# KiCad board SBC.kicad_pcb (continued)
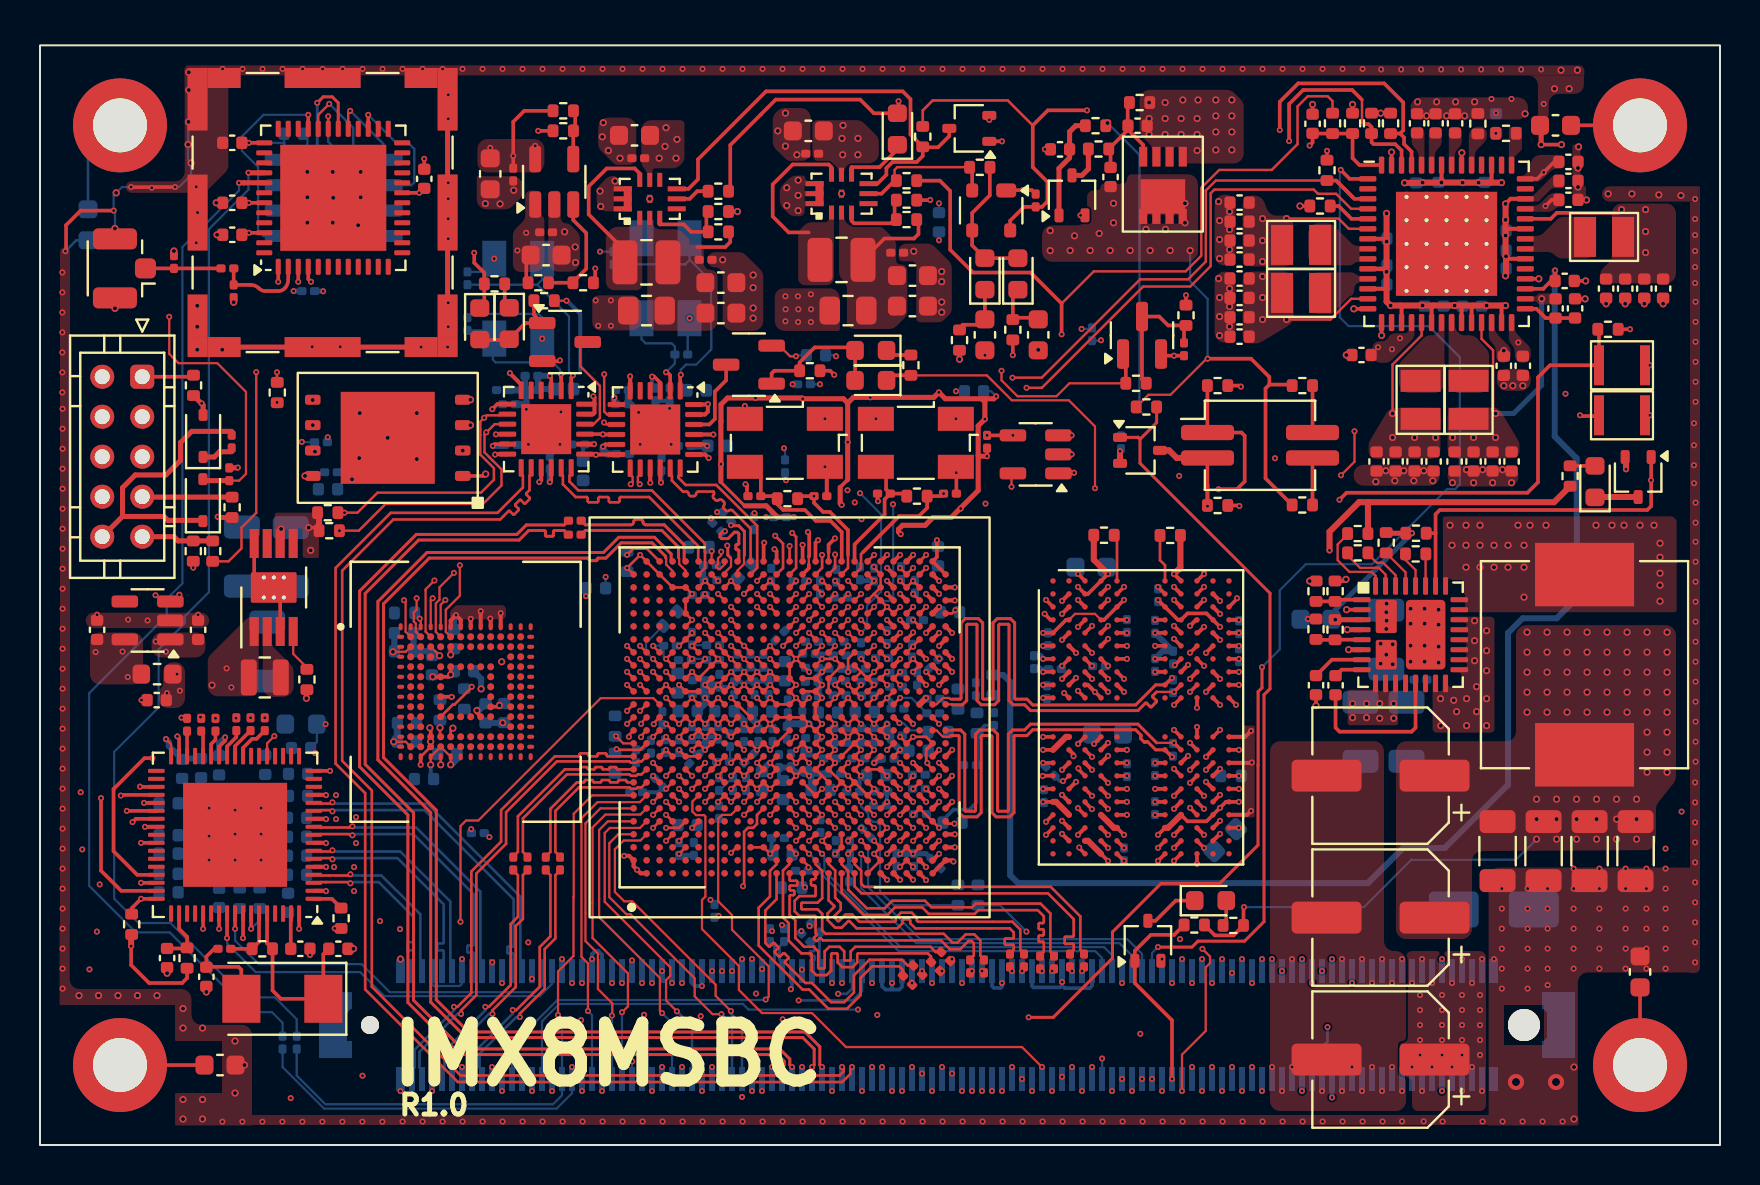
[diagram p0: board, top side]
## Routing (per net, layer and track width the routed paths; a pad name or vN(x,y) marks a point on that pad's centre or on a via; arc(x,y) is an arc through that point) (continued)
DRAM_DQ17: length 18.8
  T w0.2: U12.V2 v1(51.1,17.51) ; v1(44.95,14.56) U9.AD2
  IN4 w0.13: v1(44.95,14.56) 45.31,14.92 45.31,15.39 45.15,15.55 44.71,15.55 44.64,15.62 44.64,18.7 44.74,18.8 45.21,18.8 45.29,18.88 45.29,20.31 45.71,20.73 51.01,20.73 51.06,20.68 51.06,20.62 51.11,20.57 51.54,20.57 51.59,20.62 51.59,20.68 51.64,20.73 52.04,20.73 52.23,20.54 52.23,19.57 51.8,19.14 51.79,19.14 51.47,18.82 51.47,17.88 v1(51.1,17.51)
DRAM_DQ18: length 19.5
  T w0.2: U12.Y2 v1(51.1,16.21) ; v1(45.74,15.54) U9.AE4
  IN4 w0.13: v1(45.74,15.54) 46.03,15.84 46.03,16.21 45.95,16.29 45.95,17.46 arc(45.9,17.59) 45.77,17.64 45.48,17.64 arc(45.35,17.69) 45.3,17.82 arc(45.35,17.95) 45.48,18 45.77,18 arc(45.9,18.05) 45.95,18.18 45.95,19.1 46.17,19.32 46.37,19.32 46.41,19.36 46.41,19.86 46.46,19.9 46.81,19.9 46.85,19.86 46.85,19.36 46.9,19.32 47.25,19.32 47.29,19.36 47.29,19.86 47.34,19.9 47.69,19.9 47.73,19.86 47.73,19.36 47.78,19.32 48.13,19.32 48.17,19.36 48.17,19.86 48.22,19.9 48.57,19.9 48.61,19.86 48.61,19.36 48.66,19.32 49.01,19.32 49.05,19.36 49.05,19.86 49.1,19.9 49.45,19.9 49.49,19.86 49.49,19.36 49.54,19.32 49.91,19.32 50.02,19.43 50.29,19.43 50.5,19.22 50.5,17.95 50.76,17.69 50.76,17.35 51.17,16.94 51.34,16.94 51.47,16.81 51.47,16.57 51.83,16.21 51.83,16.01 51.71,15.89 51.4,15.89 51.1,16.19 v1(51.1,16.21)
DRAM_DQ19: length 19.7
  T w0.2: v1(44.3,15.21) U9.AD4 ; U12.U2 v1(51.8,18.16)
  IN4 w0.13: v1(44.3,15.21) 44.29,15.21 43.97,15.53 43.97,19.27 44.15,19.45 44.51,19.45 44.62,19.56 44.62,20.24 45.43,21.05 52.68,21.05 53.01,20.72 53.01,19.11 53.05,19.07 53.28,19.07 53.32,19.04 53.32,18.81 53.28,18.77 53.05,18.77 53.01,18.74 53.01,18.33 52.85,18.16 v1(51.8,18.16)
DRAM_DQ20: length 18.2
  T w0.2: v1(53.4,17.46) U12.U4 ; U9.AA2 v1(42.35,13.91)
  IN4 w0.13: v1(53.4,17.46) 53.08,17.14 53.08,13.53 52.73,13.18 51.45,13.18 51.39,13.23 51.39,13.49 51.34,13.55 50.92,13.55 50.86,13.49 50.86,13.23 50.81,13.18 50.39,13.18 50.33,13.23 50.33,13.32 50.28,13.38 49.86,13.38 49.8,13.32 49.8,13.23 49.75,13.18 49.33,13.18 49.27,13.23 49.27,13.37 49.22,13.42 48.8,13.42 48.74,13.37 48.74,13.23 48.69,13.18 47.93,13.18 47.6,13.51 46.33,13.51 46,13.18 44.83,13.18 44.56,12.91 44.17,12.91 43.99,13.08 43.99,13.42 43.81,13.6 42.67,13.6 v1(42.35,13.91)
DRAM_DQ21: length 18.6
  T w0.2: v1(42.35,13.26) U9.Y1 ; v1(53.4,16.81) U12.V4
  IN4 w0.13: v1(42.35,13.26) 43.64,11.98 53.52,11.98 54.78,13.24 54.78,15.43 v1(53.4,16.81)
DRAM_DQ22: length 19.3
  T w0.2: v1(43,13.26) U9.AA1 ; v1(53.4,15.51) U12.Y4
  IN4 w0.13: v1(43,13.26) 43,13.14 43.86,12.28 52.39,12.28 52.43,12.31 52.43,12.52 52.46,12.56 52.77,12.56 52.81,12.52 52.81,12.31 52.84,12.28 53.27,12.28 53.6,12.6 53.6,12.65 53.34,12.91 53.34,12.96 53.56,13.17 53.61,13.17 53.87,12.92 53.92,12.92 54.13,13.13 54.13,13.19 53.88,13.44 53.88,13.5 54.1,13.71 54.15,13.71 54.4,13.46 54.46,13.46 54.53,13.53 54.53,14.33 54.31,14.55 54.06,14.55 53.87,14.74 53.87,15.92 53.77,16.01 53.45,16.01 53.4,15.97 v1(53.4,15.51)
DRAM_DQ23: length 19.6
  T w0.2: v1(53.4,14.86) U12.AA4 ; v1(43.65,13.26) U9.AB1
  IN4 w0.13: v1(53.4,14.86) 53.81,14.45 53.81,13.79 52.84,12.83 52.02,12.83 51.78,12.59 51.37,12.59 51.33,12.62 51.33,12.89 51.29,12.93 50.99,12.93 50.95,12.89 50.95,12.62 50.91,12.59 50.61,12.59 50.57,12.62 50.57,12.89 50.53,12.93 50.23,12.93 50.19,12.89 50.19,12.62 50.15,12.59 49.85,12.59 49.81,12.62 49.81,12.89 49.77,12.93 49.47,12.93 49.43,12.89 49.43,12.62 49.39,12.59 49.09,12.59 49.05,12.62 49.05,12.89 49.01,12.93 48.71,12.93 48.67,12.89 48.67,12.62 48.63,12.59 48.33,12.59 48.29,12.62 48.29,12.89 48.25,12.93 47.95,12.93 47.91,12.89 47.91,12.62 47.87,12.59 47.57,12.59 47.53,12.62 47.53,13.14 47.49,13.18 47.19,13.18 47.15,13.14 47.15,12.62 47.11,12.59 46.81,12.59 46.77,12.62 46.77,13.14 46.73,13.18 46.43,13.18 46.39,13.14 46.39,12.62 46.35,12.59 46.05,12.59 46.01,12.62 46.01,12.89 45.97,12.93 45.67,12.93 45.63,12.89 45.63,12.62 45.59,12.59 45.29,12.59 45.25,12.62 45.25,12.84 45.21,12.88 44.91,12.88 44.87,12.84 44.87,12.62 44.83,12.59 44.01,12.59 43.65,12.95 v1(43.65,13.26)
DRAM_DQ24: length 22.4
  T w0.2: U9.AB4 v1(43,15.21) ; U12.Y9 v1(56.7,15.51)
  IN2 w0.13: v1(43,15.21) 43.18,15.21 43.5,14.89 45.09,14.89 45.32,14.65 45.32,14.09 45.56,13.85 46.04,13.85 46.09,13.9 46.09,14.16 46.15,14.21 46.57,14.21 46.62,14.16 46.62,13.9 46.68,13.85 47.1,13.85 47.15,13.9 47.15,14.16 47.21,14.21 47.63,14.21 47.68,14.16 47.68,13.9 47.74,13.85 48.16,13.85 48.21,13.9 48.21,14.16 48.27,14.21 48.69,14.21 48.74,14.16 48.74,13.9 48.8,13.85 49.22,13.85 49.27,13.9 49.27,14.16 49.33,14.21 49.75,14.21 49.8,14.16 49.8,13.9 49.86,13.85 50.28,13.85 50.33,13.9 50.33,14.16 50.39,14.21 50.81,14.21 50.86,14.16 50.86,13.9 50.92,13.85 51.34,13.85 51.39,13.9 51.39,14.16 51.45,14.21 51.87,14.21 51.92,14.16 51.92,13.9 51.98,13.85 52.4,13.85 52.45,13.9 52.45,14.16 52.51,14.21 52.93,14.21 52.98,14.16 52.98,13.9 53.04,13.85 54.56,13.85 arc(54.77,13.94) 54.86,14.15 54.86,14.26 arc(54.95,14.47) 55.16,14.56 arc(55.37,14.47) 55.46,14.26 55.46,14.15 arc(55.55,13.94) 55.76,13.85 56.07,13.85 56.39,14.17 56.39,14.34 56.57,14.52 56.79,14.52 57.12,14.85 57.12,15.09 v1(56.7,15.51)
DRAM_DQ25: length 22.8
  T w0.2: U12.Y11 v1(59,16.21) ; U9.AA4 v1(42.35,15.21)
  IN2 w0.13: v1(59,16.21) 58.6,15.81 58.6,15.35 58.46,15.21 58.11,15.21 57.54,14.64 57.54,14.15 56.77,13.38 55.36,13.38 arc(55.26,13.34) 55.22,13.24 arc(55.18,13.14) 55.08,13.1 54.74,13.1 arc(54.64,13.14) 54.6,13.24 arc(54.56,13.34) 54.46,13.38 54.12,13.38 arc(54.02,13.34) 53.98,13.24 arc(53.94,13.14) 53.84,13.1 53.5,13.1 arc(53.4,13.14) 53.36,13.24 arc(53.32,13.34) 53.22,13.38 52.88,13.38 arc(52.78,13.34) 52.74,13.24 arc(52.7,13.14) 52.6,13.1 52.26,13.1 arc(52.16,13.14) 52.12,13.24 arc(52.08,13.34) 51.98,13.38 51.64,13.38 arc(51.54,13.34) 51.5,13.24 arc(51.46,13.14) 51.36,13.1 51.02,13.1 arc(50.92,13.14) 50.88,13.24 arc(50.84,13.34) 50.74,13.38 50.4,13.38 arc(50.3,13.34) 50.26,13.24 arc(50.22,13.14) 50.12,13.1 49.78,13.1 arc(49.68,13.14) 49.64,13.24 arc(49.6,13.34) 49.5,13.38 49.16,13.38 arc(49.06,13.34) 49.02,13.24 arc(48.98,13.14) 48.88,13.1 48.54,13.1 arc(48.44,13.14) 48.4,13.24 arc(48.36,13.34) 48.26,13.38 47.92,13.38 arc(47.82,13.34) 47.78,13.24 arc(47.74,13.14) 47.64,13.1 47.3,13.1 arc(47.2,13.14) 47.16,13.24 arc(47.12,13.34) 47.02,13.38 46.68,13.38 arc(46.58,13.34) 46.54,13.24 arc(46.5,13.14) 46.4,13.1 46.06,13.1 arc(45.96,13.14) 45.92,13.24 arc(45.88,13.34) 45.78,13.38 45.42,13.38 44.56,14.24 43.54,14.24 43.33,14.45 43.33,14.69 43.12,14.9 42.67,14.9 v1(42.35,15.21)
DRAM_DQ26: length 21.2
  T w0.2: U12.AA11 v1(59,15.56) ; U9.AA3 v1(42.35,14.56)
  IN2 w0.13: v1(42.35,14.56) 42.55,14.56 42.87,14.25 43.17,14.25 43.32,14.1 43.32,13.76 43.5,13.58 44.46,13.58 45.37,12.67 49.61,12.67 arc(49.69,12.63) 49.73,12.54 arc(49.77,12.46) 49.85,12.42 50.21,12.42 arc(50.29,12.46) 50.33,12.54 arc(50.37,12.63) 50.45,12.67 50.81,12.67 arc(50.89,12.63) 50.93,12.54 arc(50.97,12.46) 51.05,12.42 51.41,12.42 arc(51.49,12.46) 51.53,12.54 arc(51.57,12.63) 51.65,12.67 52.01,12.67 arc(52.09,12.63) 52.13,12.54 arc(52.17,12.46) 52.25,12.42 52.61,12.42 arc(52.69,12.46) 52.73,12.54 arc(52.77,12.63) 52.85,12.67 57.1,12.67 59,14.57 v1(59,15.56)
DRAM_DQ27: length 24.2
  T w0.2: U9.AA6 v1(42.35,16.51) ; U12.AA9 v1(56.7,14.86)
  IN2 w0.13: v1(42.35,16.51) 42.67,16.2 43.14,16.2 43.32,16.02 43.32,15.7 43.49,15.53 45.18,15.53 45.49,15.22 46.01,15.22 46.21,15.02 46.21,14.62 46.28,14.55 46.63,14.55 arc(46.68,14.57) 46.7,14.61 46.7,14.97 arc(46.72,15.02) 46.76,15.04 47.03,15.04 arc(47.08,15.02) 47.1,14.97 47.1,14.61 arc(47.12,14.57) 47.16,14.55 47.43,14.55 arc(47.48,14.57) 47.5,14.61 47.5,14.97 arc(47.52,15.02) 47.56,15.04 47.83,15.04 arc(47.88,15.02) 47.9,14.97 47.9,14.61 arc(47.92,14.57) 47.96,14.55 48.23,14.55 arc(48.28,14.57) 48.3,14.61 48.3,14.97 arc(48.32,15.02) 48.36,15.04 48.63,15.04 arc(48.68,15.02) 48.7,14.97 48.7,14.61 arc(48.72,14.57) 48.76,14.55 49.03,14.55 arc(49.08,14.57) 49.1,14.61 49.1,14.97 arc(49.12,15.02) 49.16,15.04 49.43,15.04 arc(49.48,15.02) 49.5,14.97 49.5,14.61 arc(49.52,14.57) 49.56,14.55 49.83,14.55 arc(49.88,14.57) 49.9,14.61 49.9,14.97 arc(49.92,15.02) 49.96,15.04 50.23,15.04 arc(50.28,15.02) 50.3,14.97 50.3,14.61 arc(50.32,14.57) 50.36,14.55 50.63,14.55 arc(50.68,14.57) 50.7,14.61 50.7,14.97 arc(50.72,15.02) 50.76,15.04 51.03,15.04 arc(51.08,15.02) 51.1,14.97 51.1,14.61 arc(51.12,14.57) 51.16,14.55 52.53,14.55 52.57,14.59 52.57,15.53 52.61,15.57 52.89,15.57 52.93,15.53 52.93,14.59 52.97,14.55 54.31,14.55 54.31,14.56 54.33,14.56 54.51,14.74 54.51,14.94 54.77,15.2 56.36,15.2 v1(56.7,14.86)
DRAM_DQ28: length 24.4
  T w0.2: v1(43,17.81) U9.AA8 ; v1(58.3,18.16) U12.U11
  IN2 w0.13: v1(58.3,18.16) 58.02,18.45 56.53,18.45 56.27,18.71 56.27,19.17 55.65,19.79 54.84,19.79 54.55,20.08 54.12,20.08 53.99,19.95 53.84,19.95 53.68,19.79 52.87,19.79 52.83,19.75 51.77,19.75 51.73,19.79 50.79,19.79 50.44,19.44 49.6,19.44 49.56,19.48 49.56,20.02 49.52,20.06 49.2,20.06 49.16,20.02 49.16,19.48 49.12,19.44 48.8,19.44 48.76,19.48 48.76,20.02 48.72,20.06 48.4,20.06 48.36,20.02 48.36,19.48 48.32,19.44 48,19.44 47.96,19.48 47.96,20.02 47.92,20.06 47.6,20.06 47.56,20.02 47.56,19.48 47.52,19.44 47.2,19.44 47.16,19.48 47.16,20.02 47.12,20.06 46.8,20.06 46.76,20.02 46.76,19.48 46.72,19.44 46.4,19.44 46.36,19.48 46.36,20.02 46.32,20.06 46,20.06 45.96,20.02 45.96,19.48 45.92,19.44 44.16,19.44 43.98,19.26 43.98,18.98 43.79,18.79 43.53,18.79 43.32,18.58 43.32,18.13 v1(43,17.81)
DRAM_DQ29: length 23.2
  T w0.2: v1(43.65,17.16) U9.AB7 ; v1(56.7,17.46) U12.U9
  IN2 w0.13: v1(56.7,17.46) 56.69,17.48 55.55,17.48 55.29,17.74 55.24,17.74 54.95,17.45 54.9,17.45 54.7,17.65 54.7,17.71 54.98,17.99 54.98,18.05 54.88,18.15 54,18.15 53.65,17.8 53.02,17.8 52.98,17.84 52.98,18.38 52.95,18.42 52.71,18.42 52.67,18.38 52.67,17.84 52.64,17.8 52.4,17.8 52.36,17.84 52.36,17.93 52.33,17.97 52.09,17.97 52.05,17.93 52.05,17.84 52.02,17.8 51.63,17.8 51.6,17.83 50.91,17.83 50.6,18.14 49.68,18.14 49.64,18.18 49.64,18.41 49.6,18.45 49.28,18.45 49.24,18.41 49.24,17.87 49.2,17.83 48.88,17.83 48.84,17.87 48.84,18.41 48.8,18.45 48.48,18.45 48.44,18.41 48.44,17.87 48.4,17.83 48.08,17.83 48.04,17.87 48.04,18.41 48,18.45 47.68,18.45 47.64,18.41 47.64,17.87 47.6,17.83 47.28,17.83 47.24,17.87 47.24,18.41 47.2,18.45 46.88,18.45 46.84,18.41 46.84,17.87 46.8,17.83 46.48,17.83 46.44,17.87 46.44,18.41 46.4,18.45 46.08,18.45 46.04,18.41 46.04,17.87 46,17.83 45.68,17.83 45.64,17.87 45.64,18.1 45.6,18.14 44.69,18.14 44.62,18.07 44.62,17.68 44.44,17.5 44.19,17.5 43.86,17.16 v1(43.65,17.16)
DRAM_DQ30: length 25.2
  T w0.2: U12.V9 v1(56.7,16.81) ; v1(43,17.16) U9.AA7
  IN2 w0.13: v1(43,17.16) 43,17.35 43.13,17.48 43.79,17.48 43.99,17.68 43.99,18.58 44.07,18.66 44.54,18.66 44.68,18.8 45.39,18.8 45.43,18.84 45.43,19.06 45.47,19.1 45.77,19.1 45.81,19.06 45.81,18.84 45.85,18.8 46.15,18.8 46.19,18.84 46.19,19.06 46.23,19.1 46.53,19.1 46.57,19.06 46.57,18.84 46.61,18.8 46.91,18.8 46.95,18.84 46.95,19.06 46.99,19.1 47.29,19.1 47.33,19.06 47.33,18.84 47.37,18.8 47.67,18.8 47.71,18.84 47.71,19.06 47.75,19.1 48.05,19.1 48.09,19.06 48.09,18.84 48.13,18.8 48.43,18.8 48.47,18.84 48.47,19.06 48.51,19.1 48.81,19.1 48.85,19.06 48.85,18.84 48.89,18.8 49.19,18.8 49.23,18.84 49.23,19.06 49.27,19.1 49.57,19.1 49.61,19.06 49.61,18.84 49.65,18.8 50.37,18.8 50.66,19.09 51.23,19.09 51.79,18.52 52.05,18.52 52.28,18.76 52.28,18.97 52.4,19.09 53.18,19.09 53.23,19.04 53.23,18.48 53.28,18.43 53.66,18.43 53.71,18.48 53.71,19.04 53.76,19.09 53.9,19.09 54.19,18.8 54.61,18.8 arc(54.73,18.85) 54.79,18.98 54.79,19 arc(54.84,19.12) 54.97,19.18 arc(55.09,19.12) 55.15,19 55.15,18.98 arc(55.2,18.85) 55.33,18.8 55.34,18.8 55.41,18.73 55.41,18.17 55.46,18.13 56.84,18.13 57.18,17.79 57.77,17.79 57.85,17.71 57.85,17.48 57.8,17.43 57.21,17.43 56.7,16.92 v1(56.7,16.81)
DRAM_DQ31: length 25.7
  T w0.2: v1(59,17.51) U12.V11 ; v1(43,18.46) U9.AA9
  IN2 w0.13: v1(59,17.51) 59,18.3 58.66,18.64 58.66,18.87 58.44,19.08 58.12,19.08 57.98,19.22 57.98,19.54 57.74,19.79 56.48,19.79 56.28,19.98 56.28,20.53 56.02,20.79 55.59,20.79 55.53,20.73 55.53,20.64 55.47,20.58 54.99,20.58 54.93,20.64 54.93,20.94 54.87,21 54.39,21 54.33,20.94 54.33,20.64 54.27,20.58 53.79,20.58 53.73,20.64 53.73,20.94 53.67,21 53.19,21 53.13,20.94 53.13,20.64 53.07,20.58 52.59,20.58 52.53,20.64 52.53,20.94 52.47,21 51.99,21 51.93,20.94 51.93,20.64 51.87,20.58 51.39,20.58 51.33,20.64 51.33,20.94 51.27,21 50.79,21 50.73,20.94 50.73,20.85 50.67,20.79 50.19,20.79 50.13,20.85 50.13,20.94 50.07,21 49.59,21 49.53,20.94 49.53,20.64 49.47,20.58 48.99,20.58 48.93,20.64 48.93,20.94 48.87,21 48.39,21 48.33,20.94 48.33,20.64 48.27,20.58 47.79,20.58 47.73,20.64 47.73,20.94 47.67,21 47.19,21 47.13,20.94 47.13,20.64 47.07,20.58 46.59,20.58 46.53,20.64 46.53,20.94 46.47,21 45.99,21 45.93,20.94 45.93,20.85 45.87,20.79 45.2,20.79 44.51,20.1 44.15,20.1 43.32,19.26 43.32,18.96 43,18.64 v1(43,18.46)
DRAM_DQS0_N: length 19
  T w0.14: U9.AC25 v1(44.3,29.51)
  T w0.18: v1(52.6,25.96) U12.E3
  IN4 w0.12: v1(44.3,29.51) 44.5,29.31 44.75,29.31 45,29.07 46.02,29.07 46.91,28.18 47.58,28.18 47.76,28 47.76,27.45 47.8,27.41 48.14,27.41 48.17,27.45 48.17,28.77 48.35,28.95 48.9,28.95 49.08,28.77 49.08,27.45 49.12,27.41 49.46,27.41 49.49,27.45 49.49,28.77 49.67,28.95 50.22,28.95 50.4,28.77 50.4,28.22 50.44,28.18 50.71,28.18 51.7,29.17 52.28,29.17 52.66,28.78 52.66,26.95 52.4,26.68 52.4,26.16 v1(52.6,25.96)
DRAM_DQS0_P: length 18.8
  T w0.14: U9.AC24 v1(44.3,28.86)
  T w0.18: v1(51.9,25.91) U12.D3
  IN4 w0.12: v1(44.3,28.86) 44.5,29.06 44.65,29.06 44.89,28.82 45.92,28.82 45.98,28.76 arc(46,28.7) 45.98,28.63 arc(45.95,28.57) 45.98,28.51 46.08,28.4 arc(46.15,28.38) 46.21,28.4 arc(46.27,28.43) 46.33,28.4 46.81,27.93 47.48,27.93 47.51,27.89 47.51,27.34 47.69,27.16 48.24,27.16 48.42,27.34 48.42,28.66 48.46,28.7 48.8,28.7 48.83,28.66 48.83,27.34 49.01,27.16 49.56,27.16 49.74,27.34 49.74,28.66 49.78,28.7 50.12,28.7 50.15,28.66 50.15,28.11 50.33,27.93 50.81,27.93 51.8,28.92 52.17,28.92 52.41,28.68 52.41,27.05 52.15,26.79 52.15,26.16 v1(51.9,25.91)
DRAM_DQS1_N: length 23.2
  T w0.14: U9.AC21 v1(44.3,26.91)
  T w0.2: v1(58.2,25.91) 57.9,25.61 U12.E10
  IN2 w0.12: v1(58.2,25.91) 57.95,26.16 57.95,26.45 57.52,26.88 55.61,26.88 55.57,26.91 55.57,27.46 55.39,27.64 54.77,27.64 54.59,27.46 54.59,26.91 54.56,26.88 51.93,26.88 51.27,26.22 49.84,26.22 49.81,26.25 49.81,27.14 49.62,27.32 49.07,27.32 48.89,27.14 48.89,26.25 48.85,26.22 48.5,26.22 48.47,26.25 48.47,27.14 48.28,27.32 47.73,27.32 47.55,27.14 47.55,26.25 47.51,26.22 47.16,26.22 47.13,26.25 47.13,26.99 46.94,27.17 46.39,27.17 46.21,26.99 46.21,26.25 46.17,26.22 45.49,26.22 45.2,26.51 44.24,26.51 44.1,26.64 44.1,26.71 v1(44.3,26.91)
DRAM_DQS1_P: length 23.3
  T w0.14: U9.AB21 v1(43.65,26.91)
  T w0.2: U12.D10 57.8,26.26 v1(57.5,25.96)
  IN2 w0.12: v1(43.65,26.91) 43.85,26.71 43.85,26.54 44.14,26.26 45.1,26.26 45.39,25.97 46.27,25.97 46.46,26.15 46.46,26.88 46.49,26.92 46.84,26.92 46.88,26.88 46.88,26.15 47.06,25.97 47.61,25.97 47.8,26.15 47.8,27.03 47.83,27.07 48.18,27.07 48.22,27.03 48.22,26.15 48.4,25.97 48.95,25.97 49.14,26.15 49.14,27.03 49.17,27.07 49.52,27.07 49.56,27.03 49.56,26.15 49.74,25.97 51.37,25.97 52.03,26.63 52.71,26.63 52.81,26.53 52.97,26.53 53.07,26.63 54.66,26.63 54.84,26.81 54.84,27.36 54.88,27.39 55.29,27.39 55.32,27.36 55.32,26.81 55.5,26.63 57.42,26.63 57.7,26.34 57.7,26.16 v1(57.5,25.96)
DRAM_DQS2_N: length 19.2
  T w0.18: v1(44.3,13.25) 44.3,13.27 U9.AC1 ; 52.25,17.15 v1(52.6,16.8)
  IN4 w0.12: v1(52.6,16.8) 52.4,16.6 52.4,16.54 52.66,16.28 52.66,13.82 52.29,13.45 51.82,13.45 50.62,14.65 50.22,14.65 50.18,14.61 50.18,13.86 50,13.68 49.41,13.68 49.22,13.86 49.22,15.59 49.19,15.62 48.8,15.62 48.76,15.59 48.76,13.81 48.58,13.63 47.99,13.63 47.8,13.81 47.8,14.61 47.77,14.65 47.02,14.65 46.67,14.3 46.67,14.18 46.52,14.04 46.4,14.04 45.82,13.45 44.5,13.45 v1(44.3,13.25)
DRAM_DQS2_P: length 18.8
  T w0.18: U9.AC2 44.3,13.92 v1(44.3,13.9) ; 52.23,16.51 v1(51.9,16.85)
  IN4 w0.12: v1(44.3,13.9) 44.5,13.7 45.71,13.7 46.91,14.9 47.87,14.9 48.05,14.72 48.05,13.91 48.09,13.88 48.48,13.88 48.51,13.91 48.51,15.69 48.7,15.87 49.29,15.87 49.47,15.69 49.47,13.96 49.51,13.93 49.9,13.93 49.93,13.96 49.93,14.72 50.12,14.9 50.72,14.9 51.92,13.7 52.19,13.7 52.41,13.92 52.41,16.18 52.15,16.44 52.15,16.6 v1(51.9,16.85)
DRAM_DQS3_N: length 22.3
  T w0.14: U9.AC5 v1(44.3,15.86)
  T w0.18: U12.V10 v1(58.2,16.81)
  IN2 w0.12: v1(44.3,15.86) 44.1,16.06 44.1,16.14 44.24,16.27 45.2,16.27 45.49,16.56 46.09,16.56 46.13,16.53 46.13,15.63 46.31,15.45 46.89,15.45 47.08,15.63 47.08,16.53 47.11,16.56 47.49,16.56 47.53,16.53 47.53,15.63 47.71,15.45 48.29,15.45 48.48,15.63 48.48,16.53 48.51,16.56 48.89,16.56 48.93,16.53 48.93,15.63 49.11,15.45 49.69,15.45 49.88,15.63 49.88,16.53 49.91,16.56 51.27,16.56 51.93,15.9 57.52,15.9 58,16.38 58,16.61 v1(58.2,16.81)
DRAM_DQS3_P: length 22.5
  T w0.14: U9.AB5 v1(43.65,15.86)
  T w0.18: U12.W10 v1(57.5,16.86)
  IN2 w0.12: v1(57.5,16.86) 57.54,16.86 57.75,16.65 57.75,16.49 57.42,16.15 53.61,16.15 53.5,16.27 53.28,16.27 53.17,16.15 52.03,16.15 51.37,16.81 49.81,16.81 49.63,16.63 49.63,15.73 49.59,15.7 49.21,15.7 49.18,15.73 49.18,16.63 48.99,16.81 48.41,16.81 48.23,16.63 48.23,15.73 48.19,15.7 47.81,15.7 47.78,15.73 47.78,16.63 47.59,16.81 47.01,16.81 46.83,16.63 46.83,15.73 46.79,15.7 46.41,15.7 46.38,15.73 46.38,16.63 46.19,16.81 45.39,16.81 45.1,16.52 44.14,16.52 43.85,16.24 43.85,16.06 v1(43.65,15.86)
DRAM_nCS0_A: length 21.3
  T w0.2: v1(45.6,24.31) U9.AE18 ; U12.H4 v1(53.4,23.31)
  IN6 w0.13: v1(53.4,23.31) 53.08,22.99 52.46,22.99 52.24,23.21 52.24,24.07 52.47,24.3 53.54,24.3 54.05,23.79 54.52,23.79 54.66,23.93 54.66,24.5 54.52,24.64 54.18,24.64 54.06,24.76 53.05,24.76 52.87,24.94 50.92,24.94 50.58,25.28 49.83,25.28 49.79,25.32 49.79,25.66 49.75,25.7 49.54,25.7 49.5,25.66 49.5,25.32 49.46,25.28 49.25,25.28 49.21,25.32 49.21,25.81 49.17,25.85 48.96,25.85 48.92,25.81 48.92,25.32 48.88,25.28 48.67,25.28 48.63,25.32 48.63,25.81 48.59,25.85 48.38,25.85 48.34,25.81 48.34,25.32 48.3,25.28 48.09,25.28 48.05,25.32 48.05,25.81 48.01,25.85 47.8,25.85 47.76,25.81 47.76,25.32 47.72,25.28 47.51,25.28 47.47,25.32 47.47,25.81 47.43,25.85 47.22,25.85 47.18,25.81 47.18,25.32 47.14,25.28 46.78,25.28 46.07,24.57 45.86,24.57 v1(45.6,24.31)
DRAM_nCS0_B: length 20.9
  T w0.2: U9.AC9 v1(43.65,19.11) ; v1(53.4,19.46) U12.R4
  IN6 w0.13: v1(53.4,19.46) 53.4,19.21 53.27,19.08 52.47,19.08 52.24,18.85 52.24,18.66 52.1,18.52 51.79,18.52 51.21,19.1 50.92,19.1 50.76,18.94 50.76,17.95 50.85,17.86 51.21,17.86 51.71,17.35 52,17.35 52.22,17.13 53.73,17.13 53.87,16.99 53.87,16.62 53.7,16.45 51.77,16.45 51.4,16.82 48.48,16.82 46.51,18.79 43.75,18.79 43.65,18.89 v1(43.65,19.11)
DRAM_nCS1_A: length 21.8
  T w0.2: U12.H3 v1(52.6,23.31) ; v1(44.3,24.31) U9.AC18
  IN6 w0.13: v1(52.6,23.31) 52.6,23.52 52.73,23.65 53.62,23.65 53.78,23.49 53.78,23.21 54,22.99 54.48,22.99 54.52,23.03 54.52,23.32 54.56,23.36 54.89,23.36 54.93,23.32 54.93,23.03 54.97,22.99 55.81,22.99 55.9,23.08 55.9,23.25 55.8,23.35 55.62,23.35 55.44,23.53 55.44,23.61 54.99,24.06 54.99,24.85 54.55,25.29 53.92,25.29 53.57,25.64 52.07,25.64 52.03,25.6 51.37,25.6 51.02,25.95 49.9,25.95 49.69,26.16 47.14,26.16 45.88,24.9 45.37,24.9 45.12,24.65 44.76,24.65 44.63,24.78 44.63,25.14 44.5,25.27 44.06,25.27 43.97,25.18 43.97,24.79 43.93,24.75 43.93,24.49 44.1,24.31 v1(44.3,24.31)
DRAM_nCS1_B: length 20.6
  T w0.2: U9.AD8 v1(44.95,18.46) ; v1(52.6,18.76) U12.R3
  IN6 w0.13: v1(52.6,18.76) 52.64,18.8 55.95,18.8 56.07,18.68 56.07,16.34 55.87,16.14 55.52,16.14 55.27,15.89 50.5,15.89 50.44,15.83 49.22,15.83 49.18,15.87 49.18,15.96 49.14,16 48.89,16 48.85,15.96 48.85,15.87 48.81,15.83 48.61,15.83 46.35,18.09 45.13,18.09 45.09,18.13 44.82,18.13 44.78,18.09 44.55,18.09 44.48,18.16 44.48,18.42 44.52,18.46 v1(44.95,18.46)
DRAM_nRST: length 17.8
  T w0.2: U12.T11 v1(59,18.81) ; v1(43.65,21.06) U9.AB13
  IN4 w0.11: v1(59,18.81) 59,19.2 56.76,21.44 44.02,21.44 v1(43.65,21.06)
DRAM_VREF: length 68.6
  T w0.18: U1.31 75.17,42.82 75.17,42.84 75.55,43.22 C62.1 v1(75.75,43.74)
  B w0.3: R72.1 48.16,23.51 48.51,23.16 48.51,13.49 48.9,13.1 66.4,13.1 68.16,14.86 70.24,14.86 73.4,18.02 73.4,25.61 74.13,26.35 75.83,26.35 76.83,27.35 76.83,34.35 75.73,35.45 75.73,43.72 v1(75.75,43.74)
DRAMREF: length 2.1
  T w0.13: U9.AA14 v1(43,22.36)
  B w0.11: C88.1 43.57,22.36 v1(43,22.36)
DSI_CLK_N: length 32.2
  T w0.13: U9.C16 v1(30.65,23.66)
  IN2 w0.11: v1(33.6,8.7) 33.69,8.79 33.69,8.91 33.34,9.27 32.26,9.27 29.36,12.17 29.31,12.17 28.86,11.73 28.55,11.73 28.21,12.07 28.21,12.38 28.66,12.82 28.66,12.87 28.51,13.02 28.46,13.02 28.01,12.57 27.7,12.57 27.36,12.91 27.36,13.22 27.81,13.67 27.81,13.72 27.66,13.87 27.61,13.87 27.17,13.42 26.86,13.42 26.52,13.76 26.52,14.07 26.96,14.52 26.96,14.57 26.81,14.72 26.77,14.72 26.32,14.27 26.01,14.27 25.67,14.61 25.67,14.92 26.12,15.37 26.12,15.42 25.92,15.61 25.92,16.44 26.14,16.66 26.43,16.66 26.47,16.69 26.47,16.9 26.43,16.93 26.14,16.93 25.92,17.15 25.92,17.62 26.14,17.84 26.43,17.84 26.47,17.87 26.47,18.08 26.43,18.11 26.14,18.11 25.92,18.33 25.92,18.8 26.14,19.02 26.43,19.02 26.47,19.05 26.47,19.26 26.43,19.29 26.14,19.29 25.92,19.51 25.92,19.98 26.14,20.2 26.43,20.2 26.47,20.23 26.47,20.44 26.43,20.47 26.14,20.47 25.92,20.69 25.92,21.14 27.2,22.42 30.19,22.42 30.44,22.67 30.44,23.05 30.82,23.43 30.82,23.5 v1(30.65,23.66)
DSI_CLK_P: length 32.2
  T w0.13: U9.D16 v1(31.3,23.66)
  IN2 w0.11: v1(34.1,8.7) 34.01,8.79 34.01,9.05 33.47,9.59 32.4,9.59 29.49,12.49 29.18,12.49 28.73,12.05 28.69,12.05 28.53,12.2 28.53,12.24 28.98,12.69 28.98,13 28.64,13.34 28.33,13.34 27.88,12.89 27.84,12.89 27.68,13.05 27.68,13.09 28.13,13.54 28.13,13.85 27.79,14.19 27.48,14.19 27.03,13.74 26.99,13.74 26.84,13.9 26.84,13.94 27.28,14.39 27.28,14.7 26.94,15.04 26.63,15.04 26.19,14.59 26.14,14.59 25.99,14.74 25.99,14.79 26.43,15.24 26.43,15.55 26.24,15.74 26.24,16.31 26.27,16.34 26.57,16.34 26.79,16.56 26.79,17.03 26.57,17.25 26.27,17.25 26.24,17.28 26.24,17.49 26.27,17.52 26.57,17.52 26.79,17.74 26.79,18.21 26.57,18.43 26.27,18.43 26.24,18.46 26.24,18.67 26.27,18.7 26.57,18.7 26.79,18.92 26.79,19.39 26.57,19.61 26.27,19.61 26.24,19.64 26.24,19.85 26.27,19.88 26.57,19.88 26.79,20.1 26.79,20.57 26.57,20.79 26.27,20.79 26.24,20.82 26.24,21 27.34,22.1 30.33,22.1 30.76,22.53 30.76,22.91 31.14,23.29 31.14,23.5 v1(31.3,23.66)
DSI_D0_N: length 32.2
  T w0.13: U9.A17 v1(29.35,24.31)
  IN2 w0.11: v1(28.6,8.1) 28.69,8.19 28.69,8.89 27.85,9.73 26.15,9.73 25.28,10.59 25.24,10.59 25.08,10.44 24.77,10.44 24.24,10.97 24.24,11.28 24.73,11.77 24.73,11.81 24.38,12.16 24.34,12.16 23.85,11.67 23.54,11.67 23.01,12.2 23.01,12.51 23.5,13 23.5,13.04 23.15,13.39 23.11,13.39 22.62,12.9 22.31,12.9 21.78,13.43 21.78,13.74 22.27,14.23 22.27,14.27 21.92,14.62 21.88,14.62 21.72,14.46 21.41,14.46 20.93,14.95 20.93,17.28 21.63,17.98 21.63,20.56 22.27,21.2 22.27,22.37 22.81,22.9 arc(22.84,22.98) 22.81,23.06 arc(22.77,23.14) 22.81,23.22 22.9,23.31 arc(22.98,23.35) 23.06,23.31 arc(23.14,23.28) 23.22,23.31 24.22,24.31 v1(29.35,24.31)
DSI_D0_P: length 32.2
  T w0.13: U9.B17 v1(30,24.31)
  IN2 w0.11: v1(30,24.31) 29.68,23.99 24.35,23.99 22.59,22.23 22.59,21.06 21.95,20.42 21.95,17.85 21.25,17.15 21.25,15.08 21.55,14.78 21.59,14.78 21.74,14.94 22.05,14.94 22.59,14.41 22.59,14.09 22.1,13.61 22.1,13.57 22.45,13.22 22.49,13.22 22.97,13.71 23.29,13.71 23.82,13.18 23.82,12.86 23.33,12.38 23.33,12.34 23.68,11.99 23.72,11.99 24.2,12.48 24.52,12.48 25.05,11.94 25.05,11.63 24.56,11.15 24.56,11.11 24.91,10.76 24.95,10.76 25.1,10.91 25.42,10.91 26.28,10.05 27.98,10.05 29.01,9.02 29.01,8.19 v1(29.1,8.1)
DSI_D1_N: length 32.3
  T w0.13: U9.A16 v1(29.35,23.66)
  IN2 w0.11: v1(29.35,23.66) 25.45,23.66 24.6,22.81 arc(24.52,22.78) 24.44,22.81 arc(24.36,22.85) 24.29,22.81 24.19,22.72 arc(24.16,22.64) 24.19,22.56 arc(24.22,22.48) 24.19,22.4 23.89,22.11 23.89,21.36 23.03,20.5 23.03,20.34 23,20.31 22.53,20.31 22.31,20.09 22.31,19.42 22.53,19.2 23,19.2 23.03,19.17 23.03,18.76 23,18.73 22.53,18.73 22.31,18.51 22.31,17.84 22.53,17.62 23,17.62 23.03,17.59 23.03,17.18 23,17.15 22.53,17.15 22.31,16.93 22.31,16.26 22.53,16.04 23,16.04 23.03,16.01 23.03,15.43 23.19,15.28 23.19,15.23 22.9,14.95 22.9,14.64 23.27,14.26 23.58,14.26 23.87,14.55 23.92,14.55 24.11,14.36 24.11,14.32 23.82,14.03 23.82,13.72 24.19,13.34 24.5,13.34 24.79,13.63 24.84,13.63 25.03,13.44 25.03,13.4 24.74,13.11 24.74,12.8 25.11,12.42 25.42,12.42 25.71,12.71 25.76,12.71 25.94,12.52 25.94,12.48 25.66,12.19 25.66,11.88 26.03,11.5 26.34,11.5 26.63,11.79 26.68,11.79 28.11,10.36 28.93,10.36 30.19,9.1 30.19,8.19 v1(30.1,8.1)
DSI_D1_P: length 32.3
  T w0.13: U9.B16 v1(30,23.66)
  IN2 w0.11: v1(30.6,8.1) 30.51,8.19 30.51,9.24 29.07,10.68 28.24,10.68 26.81,12.11 26.5,12.11 26.21,11.82 26.16,11.82 25.98,12.01 25.98,12.06 26.26,12.34 26.26,12.66 25.89,13.03 25.58,13.03 25.29,12.74 25.24,12.74 25.06,12.93 25.06,12.98 25.35,13.26 25.35,13.57 24.97,13.95 24.66,13.95 24.37,13.66 24.33,13.66 24.14,13.85 24.14,13.89 24.43,14.18 24.43,14.49 24.05,14.87 23.74,14.87 23.45,14.58 23.41,14.58 23.22,14.77 23.22,14.81 23.51,15.1 23.51,15.41 23.35,15.57 23.35,16.14 23.13,16.36 22.66,16.36 22.63,16.39 22.63,16.8 22.66,16.83 23.13,16.83 23.35,17.05 23.35,17.72 23.13,17.94 22.66,17.94 22.63,17.97 22.63,18.38 22.66,18.41 23.13,18.41 23.35,18.63 23.35,19.3 23.13,19.52 22.66,19.52 22.63,19.55 22.63,19.96 22.66,19.99 23.13,19.99 23.35,20.21 23.35,20.37 24.21,21.23 24.21,21.97 25.58,23.34 29.68,23.34 v1(30,23.66)